# Allegro board MCU-V4.brd (continued)
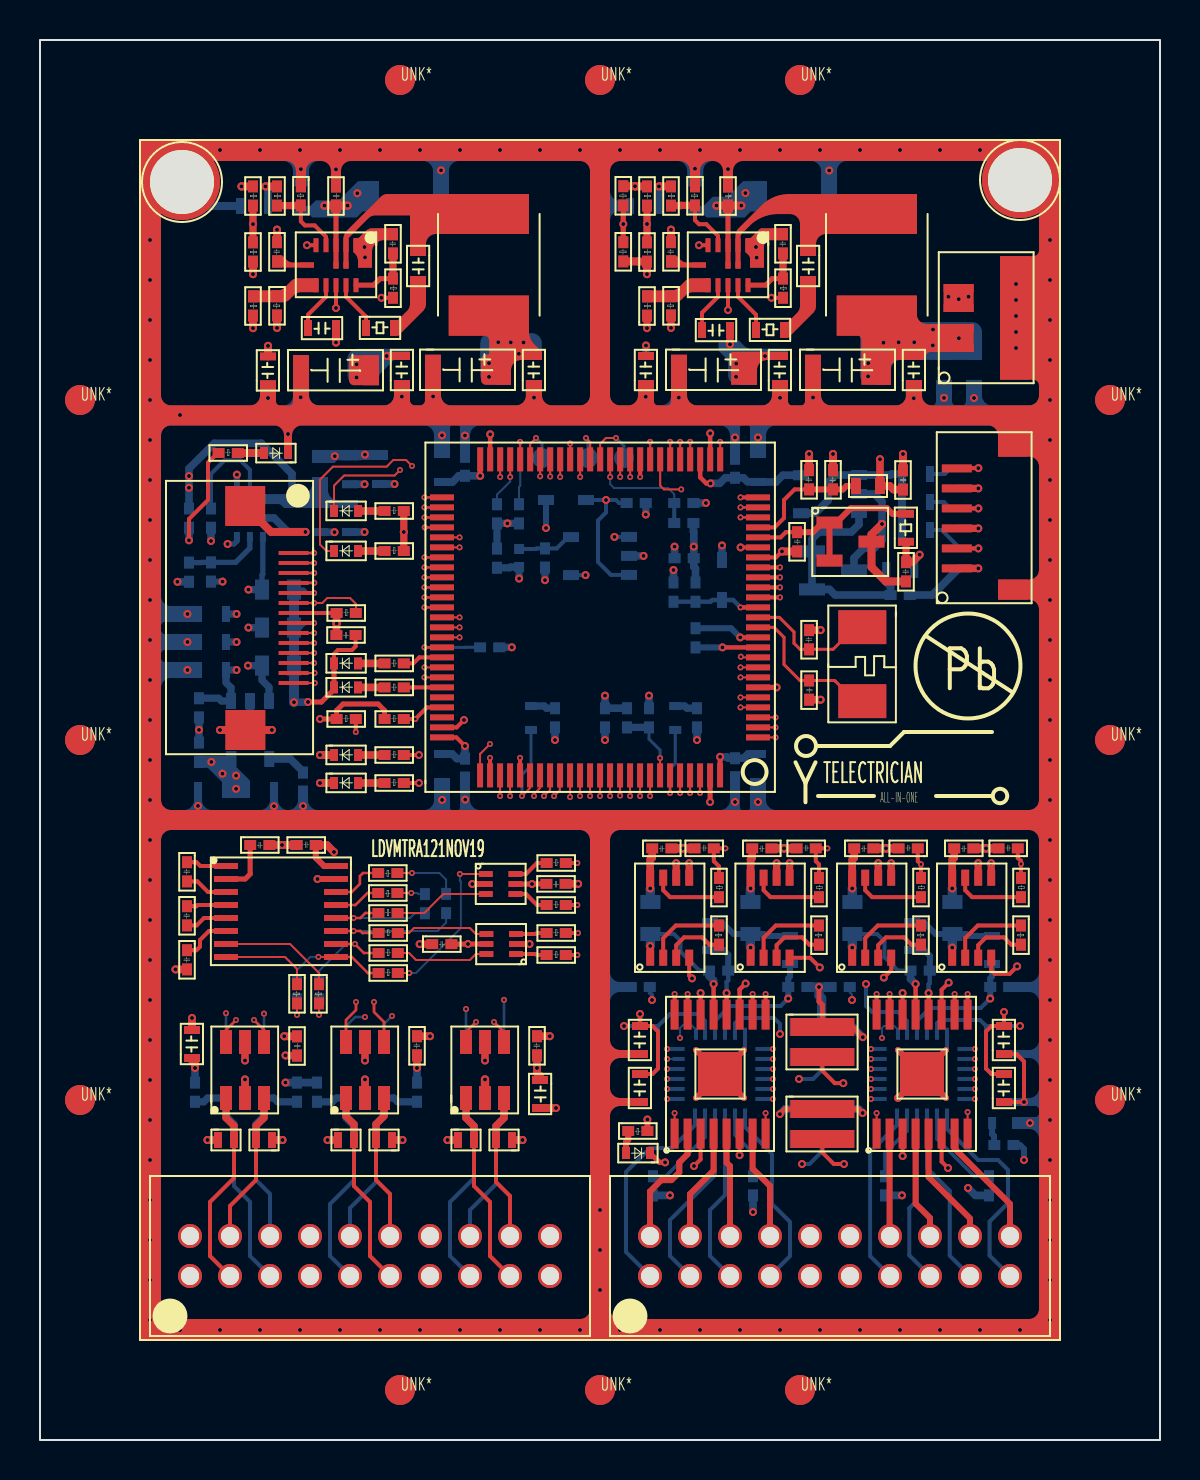
[diagram p0: board, top side]
## Text on the board (continued)
User.Comments: 1 | 2 | 3 | 4 | 5 | 6 | 7 | 8 | 9 | 10 | 11 | 12 | 13 | 14 | MCU_SPI2_NSS | MCU_SPI2_SCK | MCU_SPI2_MISO | MCU_SPI2_MOSI | GND | MCU_RST_CPU | 3V3_MCU | NRST_MCU | MCU_RST_FPGA | MCU_UART1_TXD | MCU_UART1_RXD | SWDIO | SWCLK | MCU_UART3_TXD | MCU_UART3_RXD | LIMIT_SW1 | LIMIT_SW2 | ENC3_B_BUF | ENC3_A_BUF | LIMIT_SW3 | LIMIT_SW4 | M4_PWM+ | M1_PWM+ | M2_PWM+ | MCU_LED2 | MCU_LED1 | 51 | 52 | 53 | 54 | 55 | 56 | 57 | 58 | 59 | 60 | 61 | 62 | 63 | 64 | 65 | 66 | 67 | 68 | 69 | 70 | 71 | 72 | 73 | 74 | 75 | 25 | 24 | 23 | 22 | 21 | 20 | 19 | 18 | 17 | 16 | 15 | SMTR1_PWM | ENC1_A_BUF | ENC1_B_BUF | 3V3_MCU_A | VREF_2V5 | M3_I_ADC | M4_I_ADC | M1_I_ADC | M2_I_ADC | OSC_OUT | OSC_IN | SMTR2_DIR | SMTR2_ADEC | SMTR2_I0 | SMTR2_I1 | SMTR2_DEC1 | SMTR2_NSLEEP | SMTR2_DEC0 | PT100-3 | PT100-2 | PT100-1 | 12V_MTR | 50 | 76 | 49 | 77 | MCU_LED3 | 48 | 78 | MCU_UART4_TXD | 47 | 79 | MCU_UART4_RXD | 46 | 80 | MCU_LED4 | 45 | 81 | SMTR1_NFAULT | 44 | 82 | SMTR1_M0 | 43 | 83 | SMTR1_M1 | 42 | 84 | SMTR1_TOFF_SEL | 41 | 85 | SMTR1_DIR | 40 | 86 | SMTR1_ADEC | 39 | 87 | SMTR1_I0 | 38 | 88 | SMTR1_I1 | 37 | 89 | SMTR1_DEC0 | 36 | 90 | ENC2_B_BUF | 35 | 91 | ENC2_A_BUF | 34 | 92 | SMTR1_NSLEEP | 33 | 93 | SMTR1_DEC1 | 32 | 94 | BOOT0 | 31 | 95 | SMTR2_NFAULT | 30 | 96 | SMTR2_M0 | 29 | 97 | SMTR2_M1 | 28 | 98 | SMTR2_TOFF_SEL | 27 | 99 | 26 | 100 | STEP1B_DRV1 | STEP1B_DRV2 | STEP1A_DRV2 | STEP1A_DRV1 | STEP2B_DRV1 | STEP2B_DRV2 | STEP2A_DRV2 | STEP2A_DRV1 | NFAULT12 | NSLEEP12 | NSLEEP34 | M3_PWM+ | M3_PWM- | ENC4_B_BUF | NFAULT34 | ENC4_A_BUF | BOOT1 | M2_PWM- | M1_PWM- | VBAT_ADC | M4_PWM- | SMTR2_PWM | RXD2 | TXD2 | ENC4_A | ENC4_B | LSW2 | LSW1 | TXD1 | RXD1 | LSW4 | LSW3 | ENC3_A | ENC3_B | ENC1_B | ENC1_A | ENC2_A | ENC2_B | M1_DRV+ | M1_DRV- | M2_DRV- | M2_DRV+ | VMTR | VSMTR | M3_DRV+ | M3_DRV- | M4_DRV- | M4_DRV+ | V-CUTx4 FOR BREAK
Ref Des/Silkscreen Top: ALL-IN-ONE | LDVMTRA121NOV19 | TELECTRICIAN | Y | Pb
XSECTION_CHART: *  SURFACE - AIR 0 MM(+0/-0) | L1 TOP CONDUCTOR - COPPER 0.0175 MM(+0/-0) | *  DIELECTRIC - FR-4 0.09785 MM(+0/-0) | L2 GND-L2 CONDUCTOR - COPPER 0.035 MM(+0/-0) | *  DIELECTRIC - FR-4 0.1299 MM(+0/-0) | L3 SIGNAL-L3 CONDUCTOR - COPPER 0.035 MM(+0/-0) | *  DIELECTRIC - FR-4 0.1759 MM(+0/-0) | L4 SIGNAL-L4 CONDUCTOR - COPPER 0.035 MM(+0/-0) | L5 GND-L5 CONDUCTOR - COPPER 0.035 MM(+0/-0) | *  DIELECTRIC - FR-4 0.1829 MM(+0/-0) | L6 PWR-L6 CONDUCTOR - COPPER 0.035 MM(+0/-0) | L7 SIGNAL-L7 CONDUCTOR - COPPER 0.035 MM(+0/-0) | L8 SIGNAL-L8 CONDUCTOR - COPPER 0.035 MM(+0/-0) | L9 GND-L9 CONDUCTOR - COPPER 0.035 MM(+0/-0) | L10 BOTTOM CONDUCTOR - COPPER 0.0175 MM(+0/-0) | DESIGN CROSS SECTION CHART | ___________________________ | TOTAL THICKNESS 1.565 MM | 1-10
DIMENSION: ANY QUESTIONS PLEASE CALL 13522296239 YANTAI ELECTRICIAN. | GOD BLESS US ALWAYS. | November 19,2021 | ALL-IN-ONE | TELECTRICIAN | Y
User.7: FIGURE | FINISHED_SIZE | 0.15 | 0.2 | 0.9 | 3.2 | TOOL_SIZE | - | ROTATION | DRILL CHART: TOP to BOTTOM | ALL UNITS ARE IN MILLIMETERS | TOLERANCE_DRILL | +0.0/-0.0 | TOLERANCE_TRAVEL | PLATED | NON-PLATED | QTY | 170 | 380 | 40 | 2 | 592 | TOTAL HOLES:
